# Altium PCB Fastino-DIOT.PCBDOC (part 9 of 22)
Units mm, origin at the board's own origin, x right, y up, seen from the top; angles counter-clockwise.
Board outline 222.63 x 100.1 mm, 8 copper layers (L1, L2, L3, P4, L5, L6, P7, L8), stack 1.563 mm thick; 1030 components, 787 nets, 3312 pads, 2498 vias.
Unrouted connection lines stored in the file: 424.
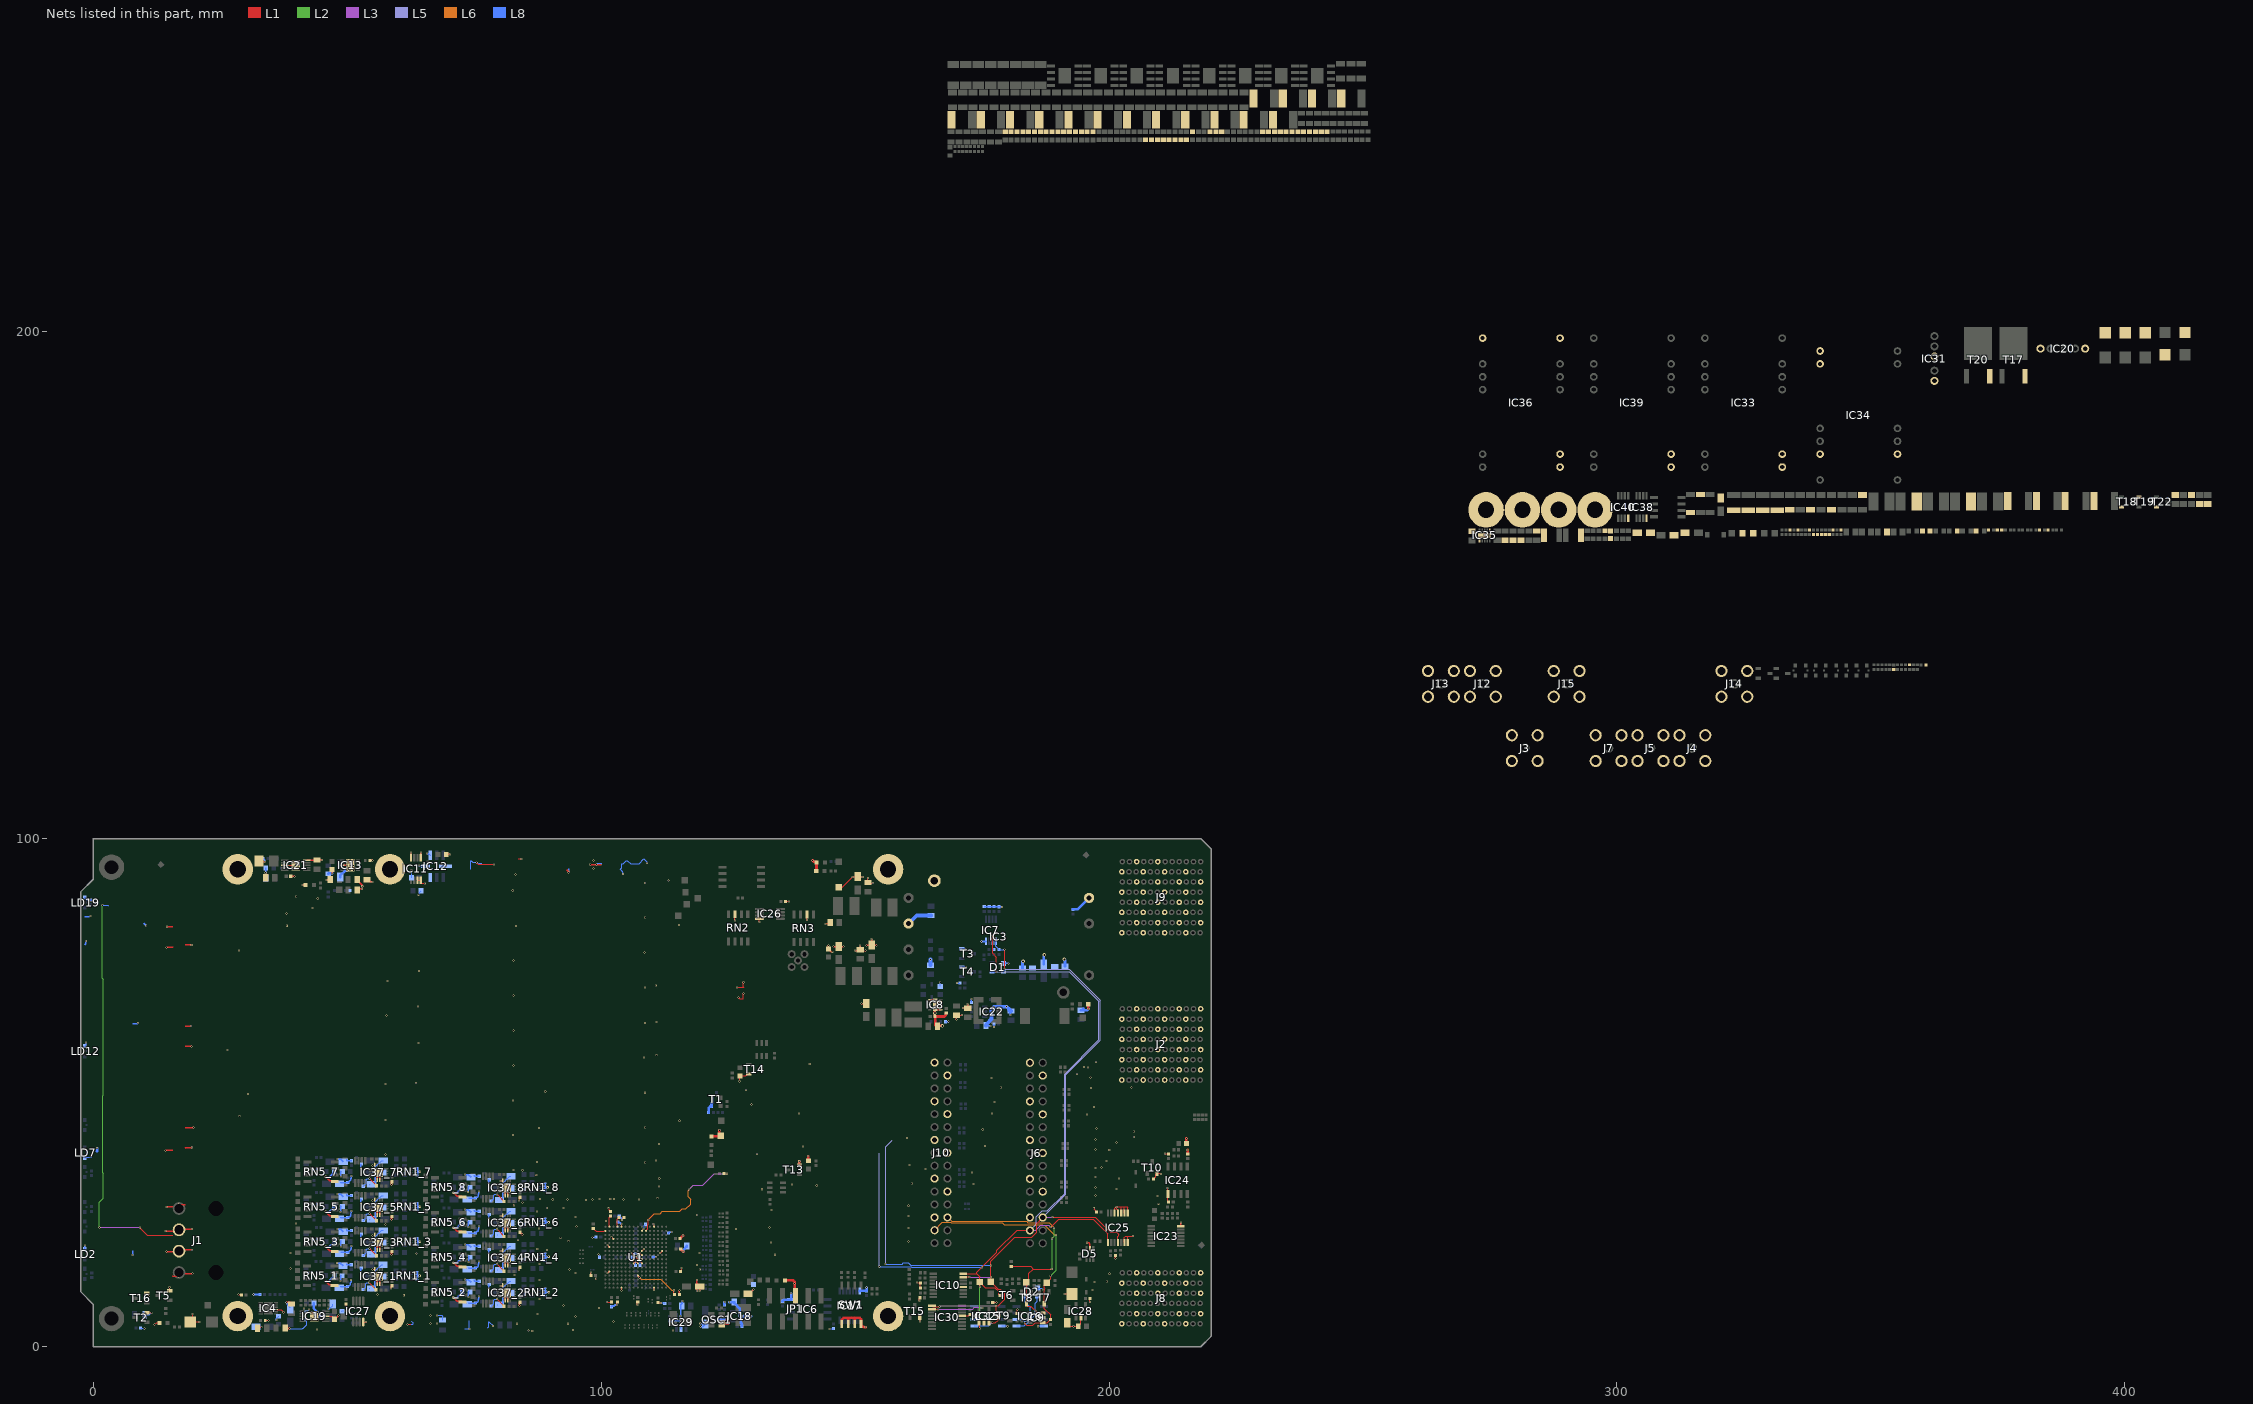
[diagram p15: the nets of this part, all layers, seen from the top]

## Via types
v1: diameter 0.4, hole 0.2, L1 to L8, tented both sides, 1919 vias
v2: diameter 0.5, hole 0.2, L1 to L8, tented both sides, 270 vias
v3: diameter 0.4, hole 0.2, L1 to L8, 170 vias
v4: diameter 0.7, hole 0.4, L1 to L8, tented both sides, 110 vias
v5: diameter 0.7, hole 0.4, L1 to L8, 29 vias

## Nets (pads, with @x,y where several pads share a name; then routed paths per layer and width w, separated by ;. In a path a pad name is that pad's centre, name@x,y a point inside that pad or via, vN(x,y) a via of type N, cw(c..) or ccw(c..) an arc to the next point about the centre after c; other vN are vias at no path point) (continued)
GND: B2.1 B3.1 B4.1 B5.1 C3_1.2 C3_2.2 C3_3.2 C3_4.2 C3_5.2 C3_6.2 C3_7.2 C3_8.2 C4_1.1 C4_2.1 C4_3.1 C4_4.1 C4_5.1 C4_6.1 C4_7.1 C4_8.1 C5_1.2 C5_2.2 C5_3.2 C5_4.2 C5_5.2 C5_6.2 C5_7.2 C5_8.2 C7_1.2 C7_2.2 C7_3.2 C7_4.2 C7_5.2 C7_6.2 C7_7.2 C7_8.2 C8_1.1 C8_2.1 C8_3.1 C8_4.1 C8_5.1 C8_6.1 C8_7.1 C8_8.1 C9.1 C10.1 C11.1 C12_1.2 C12_2.2 C12_3.2 C12_4.2 C12_5.2 C12_6.2 C12_7.2 C12_8.2 C13.1 C14.2 C15.1 C16.1 C17.1 C18.1 C19.1 C20.1 C22.1 C23.1 C24.1 C25.1 C26.1 C27.1 C28.2 C29.1 C30.1 C32.1 C33.2 C34.1 C36.1 C38.1 C39.1 C40.1 C41.1 C42.1 C43.1 C44.1 C45.1 C46.1 C47.1 C48.1 C49.2 C51.1 C52.2 C53.1 C54.1 C55.1 C56.1 C57.1 C58.1 C59.1 C60.2 C61.1 C62.1 C63.1 C64.1 C65.1 C67.1 C69.1 C70.1 C71.1 C72.1 C73.2 C74.1 C75.1 C76.1 C77.2 C78.1 C79.1 C80.1 C81.1 C82.2 C83.1 C84.1 C85.1 C86.1 C87.1 C88.1 C90.1 C91.2 C92_1.1 C92_2.1 C92_3.1 C92_4.1 C92_5.1 C92_6.1 C92_7.1 C92_8.1 C93.1 C94.1 C95.1 C96.1 C97_1.1 C97_2.1 C97_3.1 C97_4.1 C97_5.1 C97_6.1 C97_7.1 C97_8.1 C98_1.2 C98_2.2 C98_3.2 C98_4.2 C98_5.2 C98_6.2 C98_7.2 C98_8.2 C99_1.2 C99_2.2 C99_3.2 C99_4.2 C99_5.2 C99_6.2 C99_7.2 C99_8.2 C100.1 C101_1.1 C101_2.1 C101_3.1 C101_4.1 C101_5.1 C101_6.1 C101_7.1 C101_8.1 C103.1 C104.2 C105.1 C106_1.1 C106_2.1 C106_3.1 C106_4.1 C106_5.1 C106_6.1 C106_7.1 C106_8.1 C107.1 C108.1 C109.2 C110.1 C111.1 C112.1 C113.1 C114.1 C115.1 C116.1 C117.1 C118.2 C119.1 C120.1 C121.1 C122.1 C123.1 C124.1 C125.2 C127.2 C128.2 C129.2 C130.2 C131.2 C132.1 C133.1 C134.2 C135.1 C137.1 C138_1.2 C138_2.2 C138_3.2 C138_4.2 C138_5.2 C138_6.2 C138_7.2 C138_8.2 C139.2 C140.1 C141.2 C142_1.1 C142_2.1 C142_3.1 C142_4.1 C142_5.1 C142_6.1 C142_7.1 C142_8.1 C143_1.1 C143_2.1 C143_3.1 C143_4.1 C143_5.1 C143_6.1 C143_7.1 C143_8.1 C144.1 C145.1 C146.1 C147.1 C148.1 C149.1 C150.2 C151.1 C152.1 C153.2 C154_1.1 C154_2.1 C154_3.1 C154_4.1 C154_5.1 C154_6.1 C154_7.1 C154_8.1 C155.1 C156.2 C157.1 C159.1 C163.1 C164.1 C167.1 C169.1 C170.1 C257.1 C258.2 D1.1 D2.1 D5.2 D6.2 D8.2 D9.1 D10.1 D11.2 D13.1 IC3.3 IC3.5 IC3.9 IC4.9 IC6.4 IC7.4 IC8.1 IC8.4 IC8.6 IC8.11 IC9.2 IC10.4 IC11.3 IC11.4 IC11.5 IC11.8 IC12.3 IC12.4 IC12.5 IC12.8 IC13.8 IC13.11 IC15.4 IC16.4 IC17.7 IC18.2 IC19.8 IC19.11 IC20.1 IC20.5 IC21.5 IC21.8 IC21.11 IC22.1 IC23.7 IC24.1 IC25.6 IC25.7 IC25.8 IC25.9 IC25.10 IC25.11 IC25.12 IC26.4 IC27.4 IC28.2 IC29.2 IC30.13 IC31.1 IC31.3 IC32.2 IC33.2 IC33.3 IC34.2 IC34.3 IC34.10 IC34.15 IC35.1 IC35.6 IC35.11 IC36.2 IC36.3 IC36.12 IC36.13 IC37_1.2 IC37_1.3 IC37_1.12 IC37_1.17 IC37_2.2 IC37_2.3 IC37_2.12 IC37_2.17 IC37_3.2 IC37_3.3 IC37_3.12 IC37_3.17 IC37_4.2 IC37_4.3 IC37_4.12 IC37_4.17 IC37_5.2 IC37_5.3 IC37_5.12 IC37_5.17 IC37_6.2 IC37_6.3 IC37_6.12 IC37_6.17 IC37_7.2 IC37_7.3 IC37_7.12 IC37_7.17 IC37_8.2 IC37_8.3 IC37_8.12 IC37_8.17 IC38.4 IC39.2 IC39.3 IC40.4 J1.2 J1.3 J2.A2 J2.A4 J2.A6 J2.A8 J2.C1 J2.C3 J2.C5 J2.C7 J2.D2 J2.D4 J2.D6 J2.D8 J2.F1 J2.F3 J2.F5 J2.F7 J2.G2 J2.G4 J2.G6 J2.G8 J2.I1 J2.I3 J2.I5 J2.I7 J2.J2 J2.J4 J2.J6 J2.J8 J2.L1 J2.L3 J2.L5 J2.L7 J3.2 J4.2 J5.2 J6.1 J6.4 J6.7 J6.10 J6.13 J6.16 J6.19 J6.22 J6.25 J7.2 J8.A2 J8.A4 J8.A6 J8.C1 J8.C5 J8.D2 J8.D4 J8.D6 J8.F1 J8.F5 J8.G2 J8.G4 J8.G6 J8.I1 J8.I5 J8.J2 J8.J4 J8.J6 J8.L1 J8.L5 J9.A2 J9.A4 J9.A6 J9.C1 J9.C3 J9.C5 J9.C7 J9.D2 J9.D4 J9.D6 J9.F1 J9.F3 J9.F5 J9.F7 J9.G2 J9.G4 J9.G6 J9.G8 J9.I1 J9.I3 J9.I5 J9.I7 J9.J2 J9.J4 J9.J6 J9.J8 J9.L1 J9.L3 J9.L5 J9.L7 J10.1 J10.4 J10.7 J10.10 J10.13 J10.16 J10.19 J10.22 J10.25 J12.2 J13.2 J14.2 J15.2 JP1.5 LD2.1 LD4.1 LD5.1 LD6.2 LD7.2 LD8.1 LD10.1 LD11.1 LD12.1 LD13.1 OSC1.2 pad.0 pad.1 pad.2 pad.3 R8.1 R22.2 R25.1 R26.1 R27.1 R28.1 R32.2 R40.2 R45.2 R48.1 R57.2 R60.2 R67_1.1 R67_2.1 R67_3.1 R67_4.1 R67_5.1 R67_6.1 R67_7.1 R67_8.1 R77.1 R90.1 R91.1 R92.1 R94.1 R100.2 R101.1 R104.1 R113_1.1 R113_2.1 R113_3.1 R113_4.1 R113_5.1 R113_6.1 R113_7.1 R113_8.1 R126.1 R132.1 R137.1 R140.1 R142.1 R154.1 R155.1 R157.1 R163.1 R165.1 R166.1 R173.1 R174.1 R218.1 R219.1 R229.1 R230.2 R231.2 R237.1 R276.2 R277.2 R298.1 R382.1 RN1_1.5 RN1_1.6 RN1_1.7 RN1_1.8 RN1_2.5 RN1_2.6 RN1_2.7 RN1_2.8 RN1_3.5 RN1_3.6 RN1_3.7 RN1_3.8 RN1_4.5 RN1_4.6 RN1_4.7 RN1_4.8 RN1_5.5 RN1_5.6 RN1_5.7 RN1_5.8 RN1_6.5 RN1_6.6 RN1_6.7 RN1_6.8 RN1_7.5 RN1_7.6 RN1_7.7 RN1_7.8 RN1_8.5 RN1_8.6 RN1_8.7 RN1_8.8 RN2.7 RN3.6 RN5_1.1 RN5_2.1 RN5_3.1 RN5_4.1 RN5_5.1 RN5_6.1 RN5_7.1 RN5_8.1 SW1.1 SW1.2 SW1.3 SW1.4 T1.2 T2.2 T3.2 T4.2 T5.2 T10.2 T13.2 T14.2 T15.2 T16.2 T17.2 T18.2 T19.1 T20.2 T22.2 TP16.1 TP17.1 U1.A4 U1.A12 U1.E15 U1.G7 U1.G8 U1.G9 U1.H7 U1.H8 U1.H9 U1.J7 U1.J8 U1.J9 U1.K2 U1.K7 U1.L15 U1.N14 U1.R7 U1.T4 U1.T12 | length 653.9
  L1 w0.127: v1(9.128,23.444) 9.128,23.409 10.637,21.9 15.6,21.9 ; T16.2@10.474,10.475 10.61,10.475 10.871,10.214 v1(10.871,9.881) ; T2.2@10.548,6.665 10.558,6.655 v1(11.405,6.655) ; v1(12.065,4.318) 12.421,4.674 LD6.2@12.967,4.674 ; v1(14.986,11.684) 14.986,11.018 T5.2@14.998,11.005 ; v1(19.507,6.452) 19.507,5.35 D9.1@19.034,4.877 v1(20.834,4.877) ; v1(28.55,10.211) 29.07,10.211 R48.1@29.121,10.16 ; pad.3@28.956,3.785 pad.3@29.493,4.322 ; R27.1@33.833,5.136 R27.1@33.833,5.156 v1(34.493,5.156) ; IC4.9@36.141,7.293 36.953,7.293 37.465,6.782 v1(37.465,6.756) ; IC21.8@37.64,94.785 v3(39.84,94.785) ; v1(37.998,8.712) v1@38.049,8.712 ; v1@38.583,3.531 v1(38.608,3.556) ; v1(41.148,90.907) 41.79,90.907 LD5.1@41.791,90.905 ; C65.1@44.028,95.73 C65.1@44.128,95.83 ; IC19.8@45.714,5.948 46.966,5.948 47.04,5.874 47.04,5.813 47.29,5.563 C140.1@47.523,5.563 ; 46.347,12.251 47.236,12.251 RN5_1.1@47.473,12.014 ; 46.402,18.969 47.291,18.969 RN5_3.1@47.527,18.733 ; 46.402,25.856 47.291,25.856 RN5_5.1@47.527,25.619 ; 46.402,32.742 47.291,32.742 RN5_7.1@47.527,32.506 ; C46.1@46.507,91.872 46.562,91.872 C46.1@46.663,91.973 ; C117.1@46.985,93.782 C117.1@46.985,93.927 ; C140.1@47.477,5.376 47.913,5.813 48.001,5.813 48.249,6.061 v1(48.249,6.108) ; C152.1@49.759,8.364 49.793,8.329 v1(49.793,7.708) ; IC27.4@53.11,4.839 v1(53.703,4.839) ; C112.1@53.906,92.029 C112.1@54.419,91.516 ; IC37_1.17@55.355,14.628 IC37_1.17@55.489,14.493 ; IC37_3.17@55.409,21.346 IC37_3.17@55.544,21.212 ; IC37_5.17@55.409,28.233 IC37_5.17@55.544,28.098 ; IC37_7.17@55.409,35.119 IC37_7.17@55.544,34.985 ; v1@57.48,44.628 v1(57.48,44.653) ; v1@57.506,37.795 v1(57.531,37.795) ; v1(58.614,11.394) C101_1.1@58.614,12.018 ; v1(58.669,18.113) C101_3.1@58.669,18.737 ; v1(58.669,24.999) C101_5.1@58.669,25.623 ; v1(58.669,31.886) C101_7.1@58.669,32.51 ; v1(61.846,4.369) 62.446,4.369 ; v1@62.515,97.25 v1(62.519,97.254) ; IC11.8@62.575,95.798 IC11.8@62.586,95.809 ; IC11.3@63.815,91.872 IC11.4@64.465,91.872 64.465,91.398 64.627,91.237 v1(65.253,91.237) ; IC11.5@64.465,96.272 IC11.5@64.475,96.282 ; 71.553,9.01 72.442,9.01 RN5_2.1@72.678,8.773 ; 71.553,15.897 72.442,15.897 RN5_4.1@72.678,15.66 ; 71.553,22.783 72.442,22.783 RN5_6.1@72.678,22.547 ; 71.553,29.67 72.442,29.67 RN5_8.1@72.678,29.433 ; v1(75.413,95.377) 75.786,95.003 76.693,95.003 v3@78.893,95.003 ; IC37_2.17@80.56,11.387 IC37_2.17@80.695,11.252 ; IC37_4.17@80.56,18.274 IC37_4.17@80.695,18.139 ; IC37_6.17@80.56,25.16 IC37_6.17@80.695,25.025 ; IC37_8.17@80.56,32.047 IC37_8.17@80.695,31.912 ; v1(82.804,27.813) v1@82.804,27.94 ; 83.617,96.025 84.264,96.025 v1(84.277,96.012) ; v1@83.82,8.153 C101_2.1@83.82,8.777 ; v1(83.82,15.068) C101_4.1@83.82,15.664 ; C101_6.1@83.82,22.551 84.32,22.051 v1(84.454,22.051) ; v1(83.82,28.813) C101_8.1@83.82,29.437 ; C78.1@97.95,14 97.981,14.031 v1(97.981,14.624) ; 98.806,13.36 v1(99.009,13.36) ; v1(101.092,8.763) 101.987,8.763 C23.1@102,8.75 ; v1(101.194,20.035) 101.194,20.02 101.592,19.622 U1.L15@101.592,19.6 ; v1@101.298,14.464 101.298,14.526 101.589,14.816 U1.E15@101.65,14.816 ; v1(101.475,27.25) 101.475,27.176 101.608,27.044 101.608,26.871 101.834,26.645 R94.1@101.854,26.645 ; v1@102.027,21.552 102.027,21.546 102.373,21.2 U1.N14@102.379,21.2 ; v1(103.048,8.179) 103.048,8.598 C71.1@103.2,8.75 ; v1(104,11.06) U1.A12@104,11.6 ; U1.T12@104,23.6 104.015,23.615 104.015,24.109 v1(104.03,24.124) ; v1(104.055,24.905) 104.107,24.957 104.107,25.067 104.47,25.43 R173.1@104.47,25.45 ; v1@106.027,18.352 106.048,18.352 106.379,18.021 U1.J9@106.379,18 ; v1(106.045,16.815) 106.045,16.83 106.394,17.179 U1.H9@106.4,17.179 ; U1.G9@106.4,16.4 106.418,16.4 v1@106.829,16.811 ; v1(106.8,17.6) U1.H8@107.2,17.2 ; v1@106.829,16.829 106.829,16.793 107.2,16.422 U1.G8@107.2,16.4 ; v1(107.137,8.204) 107.137,8.687 C57.1@107.2,8.75 ; U1.J8@107.2,18 107.6,18.4 107.6,18.394 107.994,18 U1.J7@108,18 ; U1.G7@108,16.4 108,16.43 107.645,16.785 107.645,16.83 108,17.185 U1.H7@108,17.2 ; U1.K7@108,18.842 108.042,18.842 108.352,19.152 v1@108.352,19.194 ; U1.R7@108,22.821 108.004,22.821 108.352,23.169 v1@108.352,23.173 ; v1(108.458,56.896) v1@108.458,57.009 ; v1(108.585,49.987) v1@108.61,49.987 ; v1(110.285,24.176) 110.285,24.102 110.396,23.991 110.396,23.604 U1.T4@110.4,23.6 ; U1.A4@110.4,11.6 110.403,11.597 110.403,11.178 v1(110.405,11.176) ; C70.1@111.2,8.7 111.3,8.6 v1(111.78,8.6) ; v1(111.608,18.415) 111.611,18.415 111.996,18.8 U1.K2@112,18.8 ; C43.1@115.6,14.8 115.824,15.024 v1(115.824,15.494) ; v1(126.314,83.947) RN2.7@126.314,85.148 ; v1(126.75,70.75) 128.037,70.75 128.082,70.796 128,70.878 v1(128,71.75) ; v1(127,68.75) 127.019,68.75 127.284,68.484 128,68.484 v1(128,69.5) ; v1(127.25,6) v1@127.303,6 ; v1(127.25,52.25) 127.25,53.25 C113.1@127.3,53.3 128.5,53.3 128.85,53.65 T14.2@129.05,53.65 ; v1@128.549,50.546 v1(128.549,50.571) ; C33.2@128.9,10.4 129.175,10.4 129.736,10.961 129.736,10.99 129.956,11.209 v1(129.956,11.251) ; v1(131.14,83.642) 131.14,84.234 IC26.4@131.148,84.242 ; C107.1@136.282,87.681 136.307,87.655 v1(136.982,87.655) ; v1(140.513,83.998) RN3.6@140.513,85.098 ; TP16.1@146.75,90.5 147.5,90.5 v1(149.5,92.5) 150.45,92.5 C18.1@150.5,92.55 150.55,92.5 v1(151.5,92.5) ; v1(151.278,67.548) 152.151,67.548 C60.2@152.197,67.594 ; v1(152.5,92.25) C42.1@152.5,91.4 152.65,91.25 v1(153.5,91.25) ; v1(162.204,12.573) 162.872,12.573 C88.1@162.897,12.548 162.852,12.502 R40.2@162.852,11.506 ; v1(162.662,8.992) 162.662,9.512 R45.2@162.75,9.601 ; T15.2@162.723,5.759 162.789,5.693 v1(162.789,4.902) ; v1(163.888,34.949) v1@163.913,34.974 ; IC8.11@165.788,66.675 IC8.11@165.788,67.332 IC8.11@165.788,67.303 ; v1(169.94,64.424) C64.1@169.94,65.274 171.016,65.274 171.016,65.301 v1(171.044,65.329) ; v1(170.231,11.709) 171.269,11.709 IC10.4@171.289,11.729 ; IC30.13@171.047,6.065 172.345,6.065 C116.1@172.593,6.314 172.839,6.067 173.109,6.067 173.176,6 v1(173.25,6) ; IC32.2@175.385,4.652 v1(175.385,5.527) ; C38.1@177.113,8.7 177.125,8.712 v1(177.851,8.712) ; v1(181.94,7.262) 181.94,6.518 C20.1@181.942,6.516 ; v1(185.903,5.69) 186.975,5.69 IC9.2@186.987,5.678 ; v1(191.237,10.389) 192.711,10.389 D8.2@192.75,10.35 ; C109.2@191.75,4.7 191.75,4.561 192.312,4 v1(193,4) C108.1@193.95,4 193.95,4.025 194.446,4.521 194.446,5.646 IC28.2@194.45,5.65 ; v1@193,3.991 193.009,4 v1@193,4.009 ; v1(196.25,8.75) C103.1@196.25,9.5 ; v1(197,27.25) 197.052,27.198 197.052,26.998 C105.1@197.55,26.5 ; IC25.12@201.1,26.3 201.1,27.258 201.29,27.448 201.448,27.448 v1@201.525,27.525 ; IC25.11@201.75,26.3 201.75,26.8 201.525,27.025 v1@201.525,27.525 ; IC25.10@202.4,26.3 202.4,27.525 ; IC25.6@203.05,20.5 203.05,21.55 203.25,21.75 203.75,21.75 ; IC25.9@203.05,26.3 203.05,27.525 ; IC25.7@203.7,20.5 203.7,21.7 203.75,21.75 ; IC25.8@203.7,26.3 203.7,27.45 203.625,27.525 203.05,27.525 ; v1(204.75,21.75) 203.75,21.75 ; R229.1@208.72,33 208.72,33.02 209.189,33.489 209.189,33.838 T10.2@209.45,34.1 210.076,34.1 210.176,34 v1(210.25,34) ; v1(211,38) 211.7,38 C15.1@211.75,37.95 ; v1(211.5,31.25) 211.5,31.176 211.595,31.081 IC24.1@211.595,30.05 211.595,28.655 C95.1@211.75,28.5 ; v1@201.525,27.525 202.4,27.525 ; 202.4,27.525 203.05,27.525
  L1 w0.203: v1(54.305,12.573) 54.309,12.573 55.301,11.581 55.301,11.537 55.651,11.187 C3_1.2@55.651,11.074 ; v1(54.36,19.304) 54.363,19.301 54.363,19.292 55.356,18.299 55.356,18.256 C3_3.2@55.706,17.906 ; v1(54.36,26.178) 54.363,26.178 55.356,25.186 55.356,25.143 55.706,24.792 C3_5.2@55.706,24.68 ; v1(54.36,33.065) 54.363,33.065 55.356,32.072 55.356,32.029 55.706,31.679 C3_7.2@55.706,31.566 ; v1(54.94,15.189) 54.978,15.227 55.31,15.227 55.355,15.272 IC37_1.12@55.355,15.316 ; v1(54.995,21.908) 55.032,21.945 55.364,21.945 55.409,21.99 IC37_3.12@55.409,22.035 ; v1(54.995,28.794) 55.032,28.832 55.364,28.832 55.409,28.877 IC37_5.12@55.409,28.921 ; v1(54.995,35.681) 55.032,35.719 55.364,35.719 55.409,35.763 IC37_7.12@55.409,35.808 ; v1(79.511,9.332) 79.514,9.332 80.507,8.34 80.507,8.297 80.857,7.946 C3_2.2@80.857,7.834 ; v1(79.511,16.219) 79.514,16.219 80.507,15.227 80.507,15.183 80.857,14.833 C3_4.2@80.857,14.72 ; v1(79.511,23.105) 79.514,23.105 80.507,22.113 80.507,22.07 80.857,21.719 C3_6.2@80.857,21.607 ; v1(79.511,29.992) 79.514,29.992 80.507,29 80.507,28.956 80.857,28.606 C3_8.2@80.857,28.493 ; v1(80.146,11.948) 80.183,11.986 80.515,11.986 80.56,12.031 IC37_2.12@80.56,12.075 ; v1(80.146,18.835) 80.183,18.873 80.515,18.873 80.56,18.917 IC37_4.12@80.56,18.962 ; v1(80.146,25.722) 80.183,25.759 80.515,25.759 80.56,25.804 IC37_6.12@80.56,25.849 ; v1(80.146,32.608) 80.183,32.646 80.515,32.646 80.56,32.691 IC37_8.12@80.56,32.735
  L1 w0.254: v1(14.199,22.733) 14.215,22.716 15.584,22.716 15.6,22.7 ; v1(14.224,38.659) 14.247,38.682 15.582,38.682 15.6,38.7 ; v1(14.376,18.72) 14.386,18.71 15.59,18.71 15.6,18.7 ; v1(14.376,27.508) 14.381,27.504 15.596,27.504 15.6,27.5 ; v1(14.376,78.638) 14.416,78.638 14.459,78.682 15.582,78.682 15.6,78.7 ; v1(14.453,82.677) 14.464,82.688 15.589,82.688 15.6,82.7 ; 15.6,13.9 15.618,13.882 16.686,13.882 16.75,13.818 v1(16.789,13.818) ; v1(16.782,28) 16.821,28 16.921,27.9 18.11,27.9 ; 18.11,14.3 19.442,14.3 19.493,14.351 v1(19.533,14.351) ; 18.11,19.1 18.128,19.082 19.258,19.082 19.366,18.974 v1(19.406,18.974) ; 18.11,23.1 19.301,23.1 19.366,23.165 v1(19.406,23.165) ; 18.11,39.1 18.128,39.118 19.284,39.118 19.396,39.231 v1(19.436,39.231) ; 18.11,43.1 19.591,43.1 19.645,43.155 v1(19.685,43.155) ; 18.11,59.1 18.113,59.103 19.276,59.103 v1(19.279,59.106) ; 18.11,63.1 18.12,63.109 19.244,63.109 v1(19.253,63.119) ; 18.11,79.1 18.112,79.098 19.353,79.098 v1(19.355,79.096) ; C30.1@32.312,3.607 32.515,3.81 v1(33.096,3.81) ; C91.2@32.6,95.628 32.729,95.5 v1(33.75,95.5) ; v1(33.896,93.315) 33.896,92.325 C83.1@33.9,92.321 ; v1@38.049,8.738 38.049,8.729 38.066,8.712 38.659,8.712 C62.1@38.989,8.382 ; C90.1@38.863,92.621 39.534,92.621 v1(39.556,92.6) ; IC21.5@42.04,95.785 43.983,95.785 C65.1@44.028,95.83 44.128,95.83 v1(44.978,95.83) ; v2(45.695,12.903) 46.347,12.251 46.411,12.187 46.969,12.187 RN5_1.1@47.015,12.141 ; v2(45.749,19.622) 46.402,18.969 46.465,18.906 47.024,18.906 RN5_3.1@47.07,18.86 ; v2(45.749,26.508) 46.402,25.856 46.465,25.792 47.024,25.792 RN5_5.1@47.07,25.746 ; v2(45.749,33.395) 46.402,32.742 46.465,32.679 47.024,32.679 RN5_7.1@47.07,32.633 ; v1(45.923,91.872) 46.507,91.872 C46.1@46.533,91.846 ; C117.1@46.914,93.853 46.985,93.782 v1(46.985,93.177) ; IC13.8@49.066,94.785 v3(50.566,94.785) ; C51.1@51.94,89.941 52.117,90.119 v1@52.883,90.119 ; C155.1@52.121,91.821 52.121,91.643 52.906,90.858 52.906,90.681 v1(52.934,90.653) ; C112.1@54.077,91.948 54.077,91.934 54.479,91.531 54.925,91.531 v1(54.94,91.516) ; R26.1@54.47,95.758 R26.1@54.47,95.758 54.983,95.757 v1(54.984,95.756) ; IC37_1.2@55.855,12.316 55.855,13.266 IC37_1.17@56.105,13.516 ; IC37_3.2@55.909,19.035 55.909,19.985 IC37_3.17@56.159,20.235 ; IC37_5.2@55.909,25.921 55.909,26.871 IC37_5.17@56.159,27.121 ; IC37_7.2@55.909,32.808 55.909,33.758 IC37_7.17@56.159,34.008 ; IC37_1.17@56.105,13.816 IC37_1.17@56.105,13.516 ; IC37_3.17@56.159,20.535 IC37_3.17@56.159,20.235 ; IC37_5.17@56.159,27.421 IC37_5.17@56.159,27.121 ; IC37_7.17@56.159,34.308 IC37_7.17@56.159,34.008 ; IC37_1.3@56.355,12.316 56.355,13.068 56.107,13.316 56.105,13.316 IC37_1.17@56.105,13.516 ; IC37_3.3@56.409,19.035 56.409,19.787 56.161,20.035 56.159,20.035 IC37_3.17@56.159,20.235 ; IC37_5.3@56.409,25.921 56.409,26.673 56.161,26.921 56.159,26.921 IC37_5.17@56.159,27.121 ; IC37_7.3@56.409,32.808 56.409,33.56 56.161,33.808 56.159,33.808 IC37_7.17@56.159,34.008 ; v1(58.614,11.394) 58.642,11.422 58.642,11.906 C101_1.1@58.649,11.913 ; v1(58.669,18.113) 58.697,18.141 58.697,18.625 C101_3.1@58.703,18.631 ; v1(58.669,24.999) 58.697,25.027 58.697,25.512 C101_5.1@58.703,25.518 ; v1(58.669,31.886) 58.697,31.914 58.697,32.398 C101_7.1@58.703,32.404 ; IC11.8@62.515,96.272 v1@62.515,97.25 ; IC11.5@64.475,96.282 v1(64.475,97.275) ; C94.1@69.475,96.925 69.482,96.918 v1(70.191,96.918) ; v2(70.9,9.662) 71.553,9.01 71.616,8.946 72.175,8.946 RN5_2.1@72.221,8.9 ; v2(70.9,16.549) 71.553,15.897 71.616,15.833 72.175,15.833 RN5_4.1@72.221,15.787 ; v2(70.9,23.436) 71.553,22.783 71.616,22.72 72.175,22.72 RN5_6.1@72.221,22.674 ; v2(70.9,30.322) 71.553,29.67 71.616,29.606 72.175,29.606 RN5_8.1@72.221,29.56 ; IC37_2.2@81.06,9.075 81.06,10.025 IC37_2.17@81.31,10.275 ; IC37_4.2@81.06,15.962 81.06,16.912 IC37_4.17@81.31,17.162 ; IC37_6.2@81.06,22.849 81.06,23.799 IC37_6.17@81.31,24.049 ; IC37_8.2@81.06,29.735 81.06,30.685 IC37_8.17@81.31,30.935 ; IC37_2.17@81.31,10.575 IC37_2.17@81.31,10.275 ; IC37_4.17@81.31,17.462 IC37_4.17@81.31,17.162 ; IC37_6.17@81.31,24.349 IC37_6.17@81.31,24.049 ; IC37_8.17@81.31,31.235 IC37_8.17@81.31,30.935 ; IC37_2.3@81.56,9.075 81.56,9.827 81.312,10.075 81.31,10.075 IC37_2.17@81.31,10.275 ; IC37_4.3@81.56,15.962 81.56,16.714 81.312,16.962 81.31,16.962 IC37_4.17@81.31,17.162 ; IC37_6.3@81.56,22.849 81.56,23.601 81.312,23.849 81.31,23.849 IC37_6.17@81.31,24.049 ; IC37_8.3@81.56,29.735 81.56,30.487 81.312,30.735 81.31,30.735 IC37_8.17@81.31,30.935 ; v1(83.82,15.068) 83.848,15.096 83.848,15.552 C101_4.1@83.854,15.558 ; v1(83.82,28.813) 83.848,28.841 83.848,29.325 C101_8.1@83.854,29.332 ; C101_6.1@83.848,22.439 C101_6.1@83.854,22.445 ; C101_2.1@83.854,8.672 83.848,8.666 83.848,8.181 83.82,8.153 v1(83.921,8.053) ; C101_6.1@84.199,22.306 v1(84.454,22.051) ; 93.205,93.904 93.205,93.884 93.368,93.721 93.377,93.721 93.571,93.527 93.571,93.365 v1(93.599,93.337) ; v3(97.831,94.937) v1(99.056,94.937) 100.031,94.937 ; v1(115.376,11.023) 115.378,11.021 115.378,10.302 R174.1@115.38,10.3 ; v1(118.815,10.975) 118.815,11.388 C52.2@119.402,11.976 ; v1(118.847,13.132) 118.847,12.474 119.345,11.976 C52.2@119.402,11.976 ; v1(119.378,10.974) 119.402,10.998 C52.2@119.402,11.976 ; v1(144.213,83.243) 144.943,83.243 C44.1@145.2,83.5 ; v1(144.75,79) C29.1@144.75,78.3 144.775,78.3 145.297,77.778 145.472,77.778 v1(145.5,77.75) ; v1(145.75,78.75) 146.7,78.75 C77.2@146.75,78.8 146.8,78.75 v1(147.75,78.75) ; v1(150,78) 150.85,78 C27.1@151,78.15 ; v1(151,79) C27.1@151,78.15 ; v1(152,78) 151.15,78 C27.1@151,78.15 ; v1(152.25,79) 153.2,79 C28.2@153.25,79.05 ; v1(153.25,80.25) C28.2@153.25,79.05 ; v1(154.25,79) 153.3,79 C28.2@153.25,79.05 ; IC8.6@164.738,68.332 165.445,68.332 165.788,67.989 IC8.11@165.788,67.489 ; IC8.11@165.788,66.675 166.131,66.332 IC8.1@166.838,66.332 ; IC8.11@165.788,67.303 IC8.11@165.788,67.489 ; IC8.4@166.838,67.832 166.131,67.832 IC8.11@165.788,67.489 ; v1(171.271,66.653) 172.158,66.653 C110.1@172.171,66.641 v1(172.171,67.441) ; v1(195.631,20.447) 196.088,20.447 196.25,20.285 D5.2@196.25,19.35 ; v1(201.244,17.348) 201.257,17.361 201.257,17.958 R298.1@201.27,17.97 ; v1(214.147,24.46) 214.147,23.703 IC23.7@214.15,23.7
  L1 w0.381: C61.1@37.741,3.632 37.817,3.556 v1(38.608,3.556)
  L1 w0.508: C80.1@115.525,21.282 116.071,21.828 v1(116.119,21.828) ; C22.1@115.65,19.2 116.119,18.731 v1(116.119,18.726) ; LD10.1@121.723,41.386 123.41,41.386 TP17.1@123.577,41.553 123.257,41.874 v1(123.257,42.608) ; OSC1.2@123.76,4.455 123.776,4.47 124.968,4.47 124.968,4.988 v1(124.706,5.25) ; LD13.1@136.149,13.03 137.794,13.03 138.091,12.733 v1(138.091,12.446) 138.091,10.148 JP1.5@138.23,10.009 ; v1(139,36.5) 139,35.796 139.046,35.75 T13.2@139.05,35.75 ; v1(140.75,37.5) 140.75,36.65 C111.1@140.8,36.6 ; v1(141.63,95.758) 141.869,95.519 142.255,95.519 LD11.1@142.401,95.373 142.401,93.714 LD8.1@142.341,93.654 ; SW1.1@147.371,4.44 147.371,4.94 147.392,4.961 147.392,5.318 147.738,5.664 148.59,5.664 ; SW1.2@148.641,4.44 148.641,5.613 148.59,5.664 ; SW1.3@149.911,4.44 149.89,4.461 149.89,5.511 149.737,5.664 ; v1(152.044,3.835) 151.785,3.835 151.702,3.919 151.202,3.919 151.181,3.94 SW1.4@151.181,4.44 151.181,5.367 150.883,5.664 149.737,5.664 ; C58.1@165.69,64.976 v4(165.69,65.674) 165.707,65.691 165.707,66.594 IC8.11@165.788,66.675 ; v4(167.19,63.174) 165.94,63.174 165.763,63.35 165.763,64.955 C58.1@165.707,65.011 167.585,65.011 167.882,65.309 167.882,65.626 C63.1@167.938,65.682 ; LD4.1@195.912,67.417 LD4.1@195.912,67.417 195.913,66.557 v1(195.961,66.51) ; C11.1@215.25,40 v1(215.25,41) ; C100.1@215.5,37.95 v1(215.5,38.75) ; 148.59,5.664 149.737,5.664